# Altium PCB PCB2.PcbDoc (part 3 of 3)
Units mm, origin at the board's own origin, x right, y up, seen from the top; angles counter-clockwise.
Board outline 130.78 x 147.07 mm, 2 copper layers (Top Layer, Bottom Layer), stack 1.571 mm thick; 184 components, 114 nets, 619 pads, 1163 vias.
Unrouted connection lines stored in the file: 1.
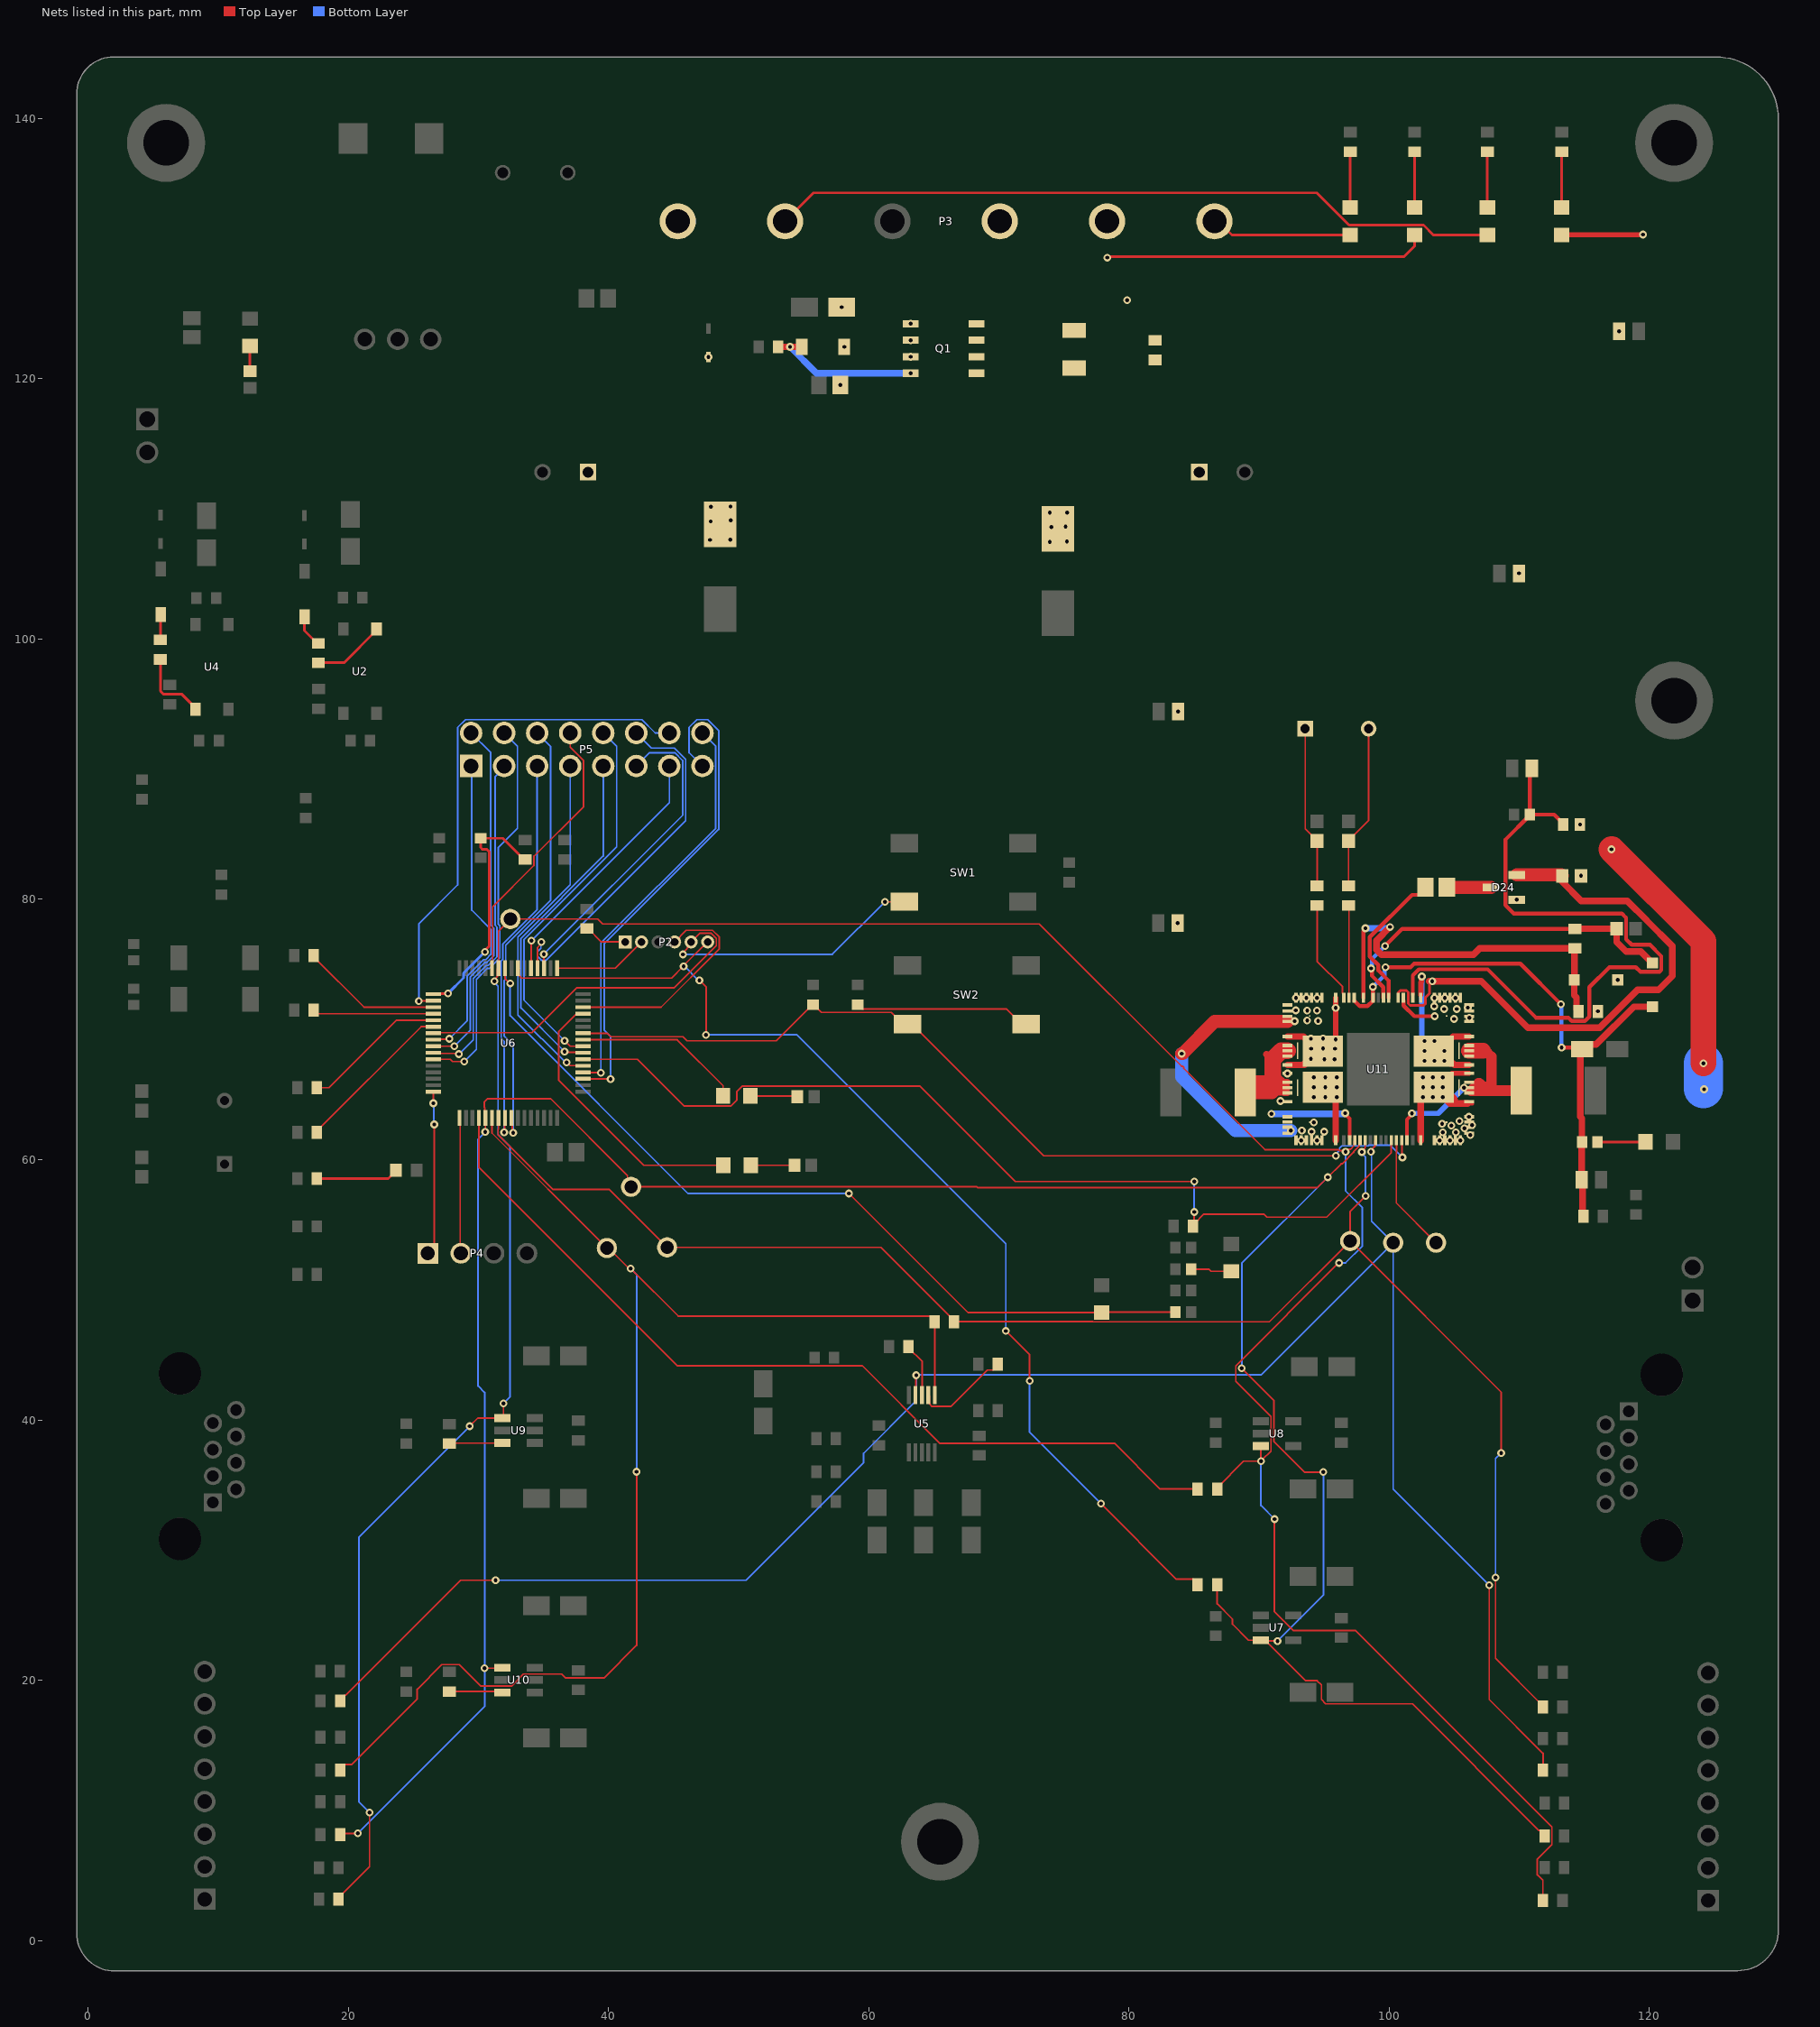
[diagram p3: the nets of this part, all layers, seen from the top]

## Via types
v1: diameter 0.6, hole 0.3, Top Layer to Bottom Layer, tented both sides, 1131 vias
v2: diameter 0.5, hole 0.25, Top Layer to Bottom Layer, tented both sides, 24 vias
v3: diameter 0.4, hole 0.2, Top Layer to Bottom Layer, tented both sides, 5 vias
v4: diameter 0.2, hole 0.1, Top Layer to Bottom Layer, tented both sides, 2 vias
v5: diameter 0.3, hole 0.125, Top Layer to Bottom Layer, tented both sides, 1 vias

## Nets (pads, with @x,y where several pads share a name; then routed paths per layer and width w, separated by ;. In a path a pad name is that pad's centre, name@x,y a point inside that pad or via, vN(x,y) a via of type N, cw(c..) or ccw(c..) an arc to the next point about the centre after c; other vN are vias at no path point) (continued)
NetC33_2: C33.2 R33.1 R34.2 U11.54 | length 55.6
  Top Layer w0.3: U11.54@101.812,72.66 101.812,74.156 102.283,74.627 107.565,74.627 111.28,70.913 113.774,70.913 114.037,70.649 115.044,70.649 115.391,70.996 115.391,73.258 116.923,74.79 118.959,74.79 119.318,74.431 120.772,74.431 120.919,74.578 120.919,75.635 120.044,76.509 118.639,76.509 118.212,76.937 118.212,78.588 117.888,78.911 109.584,78.911 108.929,79.566 108.929,84.58 110.811,86.462 R34.2@110.811,86.512 ; C33.2@110.961,90.068 110.811,89.918 R34.2@110.811,86.512 ; R33.1@113.371,85.75 113.371,85.825 112.684,86.512 R34.2@110.811,86.512
NetC34_1: C34.1 U11.57 | length 11.2
  Top Layer w0.3: U11.57@99.962,72.429 99.962,72.652 99.954,72.66 99.954,73.759 99.163,74.55 99.163,74.954 98.513,75.604 98.513,77.1 101.759,80.346 102.303,80.346 102.781,80.824 C34.1@102.781,80.924
NetC34_2: C34.2 D24.3 | length 3.4
  Top Layer w1: C34.2@104.432,80.924 D24.3@107.819,80.924
NetC35_2: C35.2 D24.2 U11.56 | length 43.6
  Top Layer w0.203: U11.56@100.692,72.429 100.717,72.455 100.717,72.848 100.881,73.012 101.302,73.012 101.46,72.854 101.46,71.988 101.601,71.847 102.642,71.847 102.772,71.977 102.772,72.444 103.086,72.757 v1@103.086,73.711
  Top Layer w0.508: v1@103.086,73.711 v1(103.312,73.711) 107.086,73.711 110.652,70.145 116.187,70.145 119.092,73.05 120.701,73.05 121.756,74.106 121.756,76.42 119.803,78.373 119.803,78.384 118.301,79.886 114.768,79.886 C35.2@113.271,81.384
  Top Layer w1: D24.2@109.809,81.874 113.235,81.874 C35.2@113.296,81.813
NetC36_2: C36.2 SW2.4 | length 13.6
  Top Layer w0.127: C36.2@59.157,71.919 59.493,71.583 70.575,71.583 71.739,70.419 SW2.4@72.089,70.419
NetC37_2: C37.2 SW2.3 U6.42 U11.19 | length 71.5
  Top Layer w0.127: U6.42@38.045,69.716 39.915,69.716 40.188,69.443 45.717,69.443 46.028,69.133 52.891,69.133 55.678,71.919 55.778,71.919 56.378,71.319 61.739,71.319 62.639,70.419 63.339,70.419 73.458,60.3 v1(95.91,60.3) ; U11.19@100.962,61.479 100.989,61.452 100.989,60.2 v1(101.016,60.173)
  Bottom Layer w0.127: v1(95.91,60.3) 95.91,60.428 96.184,60.701 96.184,60.89 96.356,61.062 98.389,61.062 98.443,61.116 98.712,61.116 98.715,61.119 100.07,61.119 v1@101.041,60.147
NetC42_2: C42.2 R43.1 X3.2 | length 12.7
  Top Layer w0.127: R43.1@96.876,81.039 C42.2@96.876,84.492 96.876,84.517 98.427,86.068 X3.2@98.427,93.116
NetC43_2: C43.2 R44.1 X3.1 | length 12.5
  Top Layer w0.127: X3.1@93.547,93.116 93.547,85.433 94.463,84.517 C43.2@94.463,84.492 R44.1@94.463,81.039
NetD7_1: D7.1 R5.2 | length 1.9
  Top Layer w0.203: R5.2@12.446,120.589 D7.1@12.446,122.521
NetD12_1: D12.1 R20.1 | length 3.6
  Top Layer w0.127: D12.1@50.91,64.897 54.458,64.897 R20.1@54.508,64.846
NetD12_2: D12.2 U6.41 | length 13
  Top Layer w0.127: U6.41@38.045,69.216 45.282,69.216 48.81,65.688 D12.2@48.81,64.897
NetD13_1: D13.1 R22.1 | length 3.4
  Top Layer w0.127: D13.1@50.936,59.563 R22.1@54.29,59.563
NetD13_2: D13.2 U6.45 | length 21.5
  Top Layer w0.127: U6.45@38.045,71.216 37.959,71.13 37.477,71.13 36.163,69.815 36.163,66.117 42.717,59.563 D13.2@48.836,59.563
NetD20_1: D20.1 R29.1 | length 4.3
  Top Layer w0.203: D20.1@101.956,133.155 R29.1@101.956,137.451
NetD20_2: D20.2 P3.2 U11.7 U11.81 U11.85 U11.EPAD8 | length 28
  Top Layer w0.203: v1(78.334,129.311) 78.41,129.387 101.143,129.387 101.956,130.2 D20.2@101.956,131.055
  Top Layer w0.5: U11.7@95.892,61.479 U11.EPAD8@95.892,64.631
  other v1: 91.634,64.51 94.209,64.795 95.098,64.795 95.987,64.795 94.209,65.557 95.098,65.557 95.987,65.557 94.209,66.319 95.098,66.319 95.987,66.319 92.187,66.624
NetD21_1: D21.1 R30.1 | length 4.3
  Top Layer w0.203: D21.1@107.544,133.155 R30.1@107.544,137.451
NetD21_2: D21.2 P3.5 U11.65 U11.76 U11.80 U11.EPAD7 | length 65.5
  Top Layer w0.203: P3.5@53.574,132.105 55.758,134.29 94.433,134.29 96.916,131.807 102.639,131.807 103.391,131.055 D21.2@107.544,131.055
  Top Layer w0.4: v1(95.885,69.24) v1(95.885,71.653) 95.888,71.657 95.888,72.426 U11.65@95.892,72.429
  Top Layer w0.5: U11.80@92.187,67.274 93.37,67.274 U11.EPAD7@93.486,67.391 ; U11.EPAD7@94.487,67.92 U11.EPAD7@94.724,68.157
  Top Layer w0.508: U11.76@92.187,69.464 93.416,69.464 94.362,68.518 94.718,68.518 U11.EPAD7@94.902,68.334 ; U11.EPAD7@93.486,67.274 U11.EPAD7@94.309,68.097
  Bottom Layer w0.4: v1@95.86,71.628 v1(95.885,71.653)
  other v1: 95.021,67.716 95.809,67.716 93.98,67.742 94.005,68.529 95.834,68.529 94.92,68.555 93.98,69.291 94.92,69.317
NetD22_1: D22.1 R31.1 | length 4.3
  Top Layer w0.203: D22.1@97.003,133.155 R31.1@97.003,137.451
NetD22_2: D22.2 P3.1 U11.22 U11.33 U11.37 U11.EPAD3 | length 22.3
  Top Layer w0.127: U11.EPAD3@103.37,65.574 104.43,66.634 U11.EPAD3@104.837,66.634
  Top Layer w0.203: P3.1@86.574,132.105 86.866,132.105 87.916,131.055 D22.2@97.003,131.055
  Top Layer w0.25: 106.016,64.316 106.044,64.287 106.401,64.287
  Top Layer w0.4: U11.EPAD3@104.837,66.634 U11.37@106.137,66.634
  Top Layer w0.508: U11.22@102.432,61.479 102.432,64.635 103.371,65.574 U11.EPAD3@103.422,65.574 ; 104.68,64.316 106.016,64.316
  Top Layer w1: U11.EPAD3@103.422,65.574 103.37,65.574 v1(103.353,65.557) 103.794,65.557 U11.EPAD3@104.79,64.562
  other v1: 102.591,64.795 103.353,64.795 104.115,64.795 102.612,65.557 104.115,65.557 102.591,66.319 103.353,66.319 104.115,66.319
NetD23_1: D23.1 R32.1 | length 4.3
  Top Layer w0.203: D23.1@113.259,133.155 R32.1@113.259,137.451
NetD23_2: D23.2 P3.6 U11.38 U11.42 U11.53 U11.EPAD4 | length 20.7
  Top Layer w0.3: 102.421,72.858 102.432,72.869
  Top Layer w0.4: U11.53@102.421,72.66 102.421,72.858 ; 102.432,72.869 102.432,73.625 102.473,73.666 102.473,74.039 v1(102.511,74.077) ; D23.2@113.259,131.055 113.276,131.072 119.49,131.072 v1(119.507,131.089)
  Top Layer w0.508: U11.EPAD4@103.777,68.334 104.907,69.464 U11.42@106.137,69.464 ; U11.EPAD4@104.001,68.111 104.717,67.395 104.894,67.395 105.015,67.274 U11.38@106.137,67.274
  Bottom Layer w0.4: v1(102.511,74.077) 102.511,69.374 102.718,69.168 v1(102.718,69.113)
  Bottom Layer w0.508: v1(102.718,67.589) v1(103.48,67.589) v1(104.242,67.589) ; v1(102.718,69.113) v1(103.48,69.113)
  Bottom Layer w2: P3.6@45.324,132.105 P3.6@45.695,132.105
  other v1: 102.718,68.351 104.242,68.351
NetD27_2: D27.2 R42.1 | length 3.7
  Top Layer w0.203: R42.1@116.018,61.366 D27.2@119.702,61.366
NetD28_2: D28.2 R46.2 | length 3.1
  Top Layer w0.127: R46.2@84.776,51.587 86.137,51.587 86.298,51.426 D28.2@87.859,51.426
NetD29_1: D29.1 R48.1 U6.57 | length 64.4
  Top Layer w0.127: U6.57@32.045,74.716 32.045,73.925 32.423,73.548 v1(32.442,73.548) ; v1(58.471,57.404) 67.623,48.251 D29.1@77.902,48.251 77.936,48.285 R48.1@83.576,48.285
  Bottom Layer w0.127: v1(32.442,73.548) 32.442,71.068 46.106,57.404 v1(58.471,57.404)
NetD32_2: D32.2 Q1.4 R64.2 | length 11.9
  Top Layer w0.508: R64.2@53.049,122.453 v1(53.95,122.453) D32.2@54.855,122.453
  Bottom Layer w0.508: v1(53.95,122.453) 55.977,120.426 v1(63.223,120.426)
NetF1_2: F1.2 Q1.5 Q1.6 Q1.7 Q1.8 R63.2
NetFB1_2: FB1.2 R21.1 | length 6.4
  Top Layer w0.203: R21.1@17.59,58.547 23.075,58.547 23.66,59.132 FB1.2@23.66,59.182
NetP2_1: P2.1 R23.2 | length 3.4
  Top Layer w0.127: R23.2@38.329,77.761 38.429,77.761 39.457,76.733 P2.1@41.275,76.733
NetP2_2: P2.2 U6.49 | length 7.3
  Top Layer w0.127: U6.49@36.045,74.716 40.528,74.716 P2.2@42.545,76.733
NetP2_4: P2.4 U6.46 | length 17.3
  Top Layer w0.127: U6.46@38.045,71.716 44.041,71.716 48.516,76.19 48.516,77.102 47.994,77.624 45.976,77.624 P2.4@45.085,76.733
NetP2_5: P2.5 SW1.3 U6.7 | length 47.4
  Top Layer w0.127: U6.7@26.545,69.716 26.584,69.755 34.103,69.755 37.551,73.203 45.033,73.203 48.289,76.459 48.289,77.008 47.9,77.397 47.019,77.397 P2.5@46.355,76.733 46.355,76.538 45.72,75.903 v1(45.72,75.775) ; v1(61.239,79.807) 62.724,79.807 SW1.3@62.735,79.817
  Bottom Layer w0.127: v1(45.72,75.775) 57.207,75.775 v1(61.239,79.807)
NetP2_6: P2.6 R51.2 U6.55 | length 85.2
  Top Layer w0.127: U6.55@33.045,74.716 33.132,74.629 33.132,74.148 33.328,73.952 44.844,73.952 45.739,74.848 v1(45.771,74.848) 45.771,74.905 47.6,76.733 P2.6@47.625,76.733 ; v1(46.99,73.787) 47.498,73.279 v1(47.498,69.596) ; v1(70.536,46.838) 72.365,45.009 v1(72.365,43.002) ; v1(77.851,33.568) 83.652,27.767 84.943,27.767 85.28,27.43 R51.2@85.28,27.33
  Bottom Layer w0.127: v1(45.771,74.848) 45.85,74.848 46.911,73.787 v1(46.99,73.787) ; v1(47.498,69.596) 54.483,69.596 70.536,53.543 v1(70.536,46.838) ; v1(72.365,43.002) 72.365,39.054 v1(77.851,33.568)
NetR1_1: R1.1 U1.1 | length 2.5
  Top Layer w0.203: U1.1@16.637,101.704 16.637,100.65 17.604,99.683 R1.1@17.704,99.683
NetR1_2: R1.2 U2.1 | length 5.6
  Top Layer w0.203: R1.2@17.704,98.183 19.671,98.183 22.174,100.686 U2.1@22.174,100.786
NetR3_1: R3.1 U3.1 | length 2
  Top Layer w0.203: R3.1@5.563,99.937 5.563,101.857 U3.1@5.588,101.882
NetR3_2: R3.2 U4.1 | length 5.8
  Top Layer w0.203: R3.2@5.563,98.437 5.563,96.063 5.572,96.053 5.572,95.999 5.788,95.783 7.188,95.783 8.255,94.716 U4.1@8.255,94.616
NetR6_1: R6.1 U5.2 | length 7.5
  Top Layer w0.127: U5.2@64.584,41.9 64.671,41.814 64.671,41.232 64.866,41.037 66.31,41.037 69.109,43.836 69.578,43.836 69.799,44.057 69.799,44.298 69.825,44.272 R6.1@69.914,44.272
NetR7_2: R7.2 U5.3 | length 4.2
  Top Layer w0.127: R7.2@63.056,45.644 63.056,45.544 64.116,44.484 64.116,41.932 U5.3@64.084,41.9
NetR14_1: R14.1 U6.3 | length 10.9
  Top Layer w0.127: R14.1@17.336,75.692 17.336,75.592 21.212,71.716 U6.3@26.545,71.716
NetR15_1: R15.1 U6.4 | length 9.3
  Top Layer w0.127: R15.1@17.348,71.501 17.633,71.216 U6.4@26.545,71.216
NetR16_2: R16.2 U6.5 | length 11.1
  Top Layer w0.127: R16.2@17.59,65.532 18.517,65.532 23.701,70.716 U6.5@26.545,70.716
NetR17_2: R17.2 U6.6 | length 12.4
  Top Layer w0.127: R17.2@17.59,62.103 17.59,62.203 25.603,70.216 U6.6@26.545,70.216
NetR24_1: R24.1 R52.1 R56.1 TP5.1 U6.58 U8.3 U9.1 U11.10 | length 238.5
  Top Layer w0.127: R52.1@19.241,3.175 19.241,3.275 21.641,5.675 v1(21.641,9.83) ; v1(29.337,39.522) 29.957,40.142 U9.1@31.846,40.142 31.928,40.224 v1(31.928,41.275) ; v1(31.244,73.719) 31.244,73.847 31.459,74.062 31.459,74.629 U6.58@31.545,74.716 31.545,77.57 TP5.1@32.461,78.486 39.172,78.486 39.546,78.112 73.104,78.112 84.036,67.18 84.118,67.18 84.214,67.084 84.214,67.002 90.453,60.763 96.094,60.763 96.168,60.689 96.626,60.689 96.648,60.71 v1(96.648,60.598) ; R56.1@86.78,34.696 86.78,34.796 88.813,36.83 v1(90.145,36.83) v1@90.145,36.958 ; U8.3@90.134,37.998 90.145,37.988 v1@90.145,36.958 ; v1(91.186,32.381) 91.186,25.27 92.626,23.83 97.404,23.83 112.513,8.721 112.513,7.383 111.386,6.256 111.386,5.046 111.811,4.621 111.811,3.085 R24.1@111.823,3.073 ; v1(96.139,52.07) 96.119,52.07 88.208,44.159 88.208,42.981 90.922,40.266 90.922,37.608 90.273,36.958 v1@90.145,36.958 ; v1@96.648,60.698 96.738,60.789 97.01,60.789 97.298,61.077 97.298,61.416 U11.10@97.362,61.479
  Bottom Layer w0.127: v1(21.641,9.83) 20.817,10.654 20.817,30.982 29.337,39.502 v1(29.337,39.522) ; v1(31.244,73.719) 31.244,73.591 31.515,73.32 31.515,61.911 32.436,60.99 32.436,41.783 v1(31.928,41.275) ; v1(90.145,36.83) 90.145,33.422 v1(91.186,32.381) ; v1(96.139,52.07) 96.653,52.07 97.941,53.358 97.941,56.317 96.648,57.611 v1(96.648,60.598)
NetR26_2: R26.2 U9.3 | length 4.1
  Top Layer w0.127: R26.2@27.789,38.215 U9.3@31.819,38.215
  Top Layer w0.3: R26.2@27.762,38.188 R26.2@27.789,38.215 ; U9.3@31.819,38.215 U9.3@31.846,38.242
NetR36_1: R36.1 R51.1 R54.1 TP4.1 U6.21 U7.3 U10.1 U11.11 | length 215
  Top Layer w0.127: R54.1@19.368,8.128 19.47,8.23 v1(20.726,8.23) ; v1(30.48,20.93) 31.811,20.93 U10.1@31.846,20.965 ; v1(30.531,62.128) 30.538,62.136 30.538,63.209 U6.21@30.545,63.216 30.484,63.277 30.484,64.006 30.454,64.037 30.454,64.421 30.725,64.692 35.55,64.692 41.46,58.782 41.46,58.184 TP4.1@41.732,57.912 68.325,57.912 68.378,57.859 94.486,57.859 v1(95.275,58.649) 95.284,58.649 96.317,59.682 96.386,59.682 97.269,60.564 97.269,60.621 97.698,61.05 97.698,61.416 U11.11@97.762,61.479 ; R51.1@86.78,27.33 86.78,25.872 87.954,24.697 87.954,24.314 89.129,23.139 89.19,23.078 U7.3@90.134,23.078 90.2,23.012 U7.3@90.525,23.012 ; v1(88.671,43.967) 91.149,41.49 91.149,38.327 93.484,35.992 v1(94.945,35.992) ; v1(91.415,23.012) U7.3@90.525,23.012 ; R36.1@111.95,8.026 111.95,8.126 111.613,8.463 111.513,8.463 101.789,18.187 95.125,18.187 94.793,18.519 94.793,19.632 94.461,19.964 93.573,19.964 U7.3@90.525,23.012
  Bottom Layer w0.127: v1(20.726,8.23) 30.48,17.983 v1(30.48,20.93) 30.48,42.108 29.974,42.615 29.974,61.571 v1(30.531,62.128) ; v1(88.671,43.967) 88.671,52.045 v1(95.275,58.649) ; v1(91.415,23.012) 94.945,26.543 v1(94.945,35.992)
NetR37_2: R37.2 U10.3 | length 4.1
  Top Layer w0.127: R37.2@27.762,19.138 31.509,19.138 31.582,19.065 U10.3@31.846,19.065
NetR39_1: R39.1 R59.1 TP7.1 U5.4 U11.14 | length 153
  Top Layer w0.127: R59.1@19.368,18.415 19.368,18.515 19.705,18.852 19.805,18.852 28.639,27.686 v1(31.318,27.686) ; U5.4@63.584,41.9 63.618,41.934 63.618,43.4 v1(63.652,43.434) ; v1(98.599,60.617) 98.599,60.712 98.898,61.011 98.898,61.416 U11.14@98.962,61.479 ; TP7.1@100.254,53.899 100.305,53.848 TP7.1@100.305,53.619 ; v1(107.696,27.305) 107.696,18.515 111.823,14.388 R39.1@111.823,13.106
  Bottom Layer w0.127: v1(31.318,27.686) 50.578,27.686 59.608,36.715 59.608,37.438 63.652,41.483 v1(63.652,43.434) 63.684,43.466 90.151,43.466 TP7.1@100.305,53.619 ; v1(98.599,60.617) 98.648,60.567 98.648,55.276 TP7.1@100.305,53.619 ; v1(107.696,27.305) 100.305,34.696 TP7.1@100.305,53.619
NetR43_2: R43.2 U11.63 | length 7.1
  Top Layer w0.127: R43.2@96.876,79.539 96.912,79.503 U11.63@96.912,72.429
NetR44_2: R44.2 U11.64 | length 8
  Top Layer w0.127: R44.2@94.463,79.539 94.463,75.231 96.412,73.281 96.412,72.783 96.512,72.683 U11.64@96.512,72.429
NetR49_1: R49.1 R60.1 TP2.1 TP6.1 U6.23 U11.12 | length 126.1
  Top Layer w0.127: U6.23@31.545,63.216 31.545,62.325 31.515,62.295 31.515,61.911 35.703,57.724 40.041,57.724 TP2.1@44.501,53.264 60.946,53.264 66.561,47.649 R60.1@66.561,47.549 77.223,47.549 77.234,47.538 90.794,47.538 TP6.1@97.003,53.746 ; v1(97.899,60.596) 97.899,60.648 98.159,60.908 98.159,61.477 U11.12@98.162,61.479 ; v1(98.185,57.212) 97.003,56.03 TP6.1@97.003,53.746 ; v1(108.179,27.889) 108.179,21.677 111.823,18.032 R49.1@111.823,17.932 ; v1(108.61,37.465) 108.61,42.139 TP6.1@97.003,53.746
  Bottom Layer w0.127: v1(97.899,60.596) 97.899,60.473 98.185,60.187 v1(98.185,57.212) ; v1(108.179,27.889) 108.179,37.033 v1(108.61,37.465)
NetR55_1: R55.1 R60.2 TP3.1 U5.1 U6.22 | length 105
  Top Layer w0.127: R55.1@19.368,13.081 19.368,13.181 19.705,13.518 20.242,13.518 25.301,18.576 25.301,19.308 27.194,21.202 28.545,21.202 30.195,19.552 32.539,19.552 33.466,20.479 36.41,20.479 36.713,20.176 39.656,20.176 42.164,22.683 v1(42.164,36.017) ; U6.22@31.045,63.216 31.045,62.046 39.589,53.502 39.885,53.502 39.885,53.333 41.58,51.638 v1(41.707,51.638) 45.36,47.985 64.725,47.985 65.061,47.649 R60.2@65.061,47.549 ; U5.1@65.084,41.9 R60.2@65.084,47.526
  Bottom Layer w0.127: v1(41.707,51.638) 42.164,51.181 v1(42.164,36.017)
NetR56_2: R56.2 U6.20 | length 69.3
  Top Layer w0.127: U6.20@30.045,63.216 30.045,59.388 45.267,44.167 59.499,44.167 65.455,38.21 78.881,38.21 82.395,34.696 R56.2@85.28,34.696
NetR57_1: R57.1 U11.9 U11.77 U11.78 U11.79 U11.82 U11.83 U11.84 U11.EPAD12 U11.EPAD13 | length 23.5
  Top Layer w0.3: v1(96.622,63.576) 96.622,63.495 96.964,63.153 U11.9@96.964,61.71
  Top Layer w0.4: 91.661,66.157 91.744,66.157 U11.82@91.957,65.944
  Top Layer w0.5: R57.1@88.936,65.176 R57.1@88.978,65.134 ; R57.1@89.294,65.534 91.186,65.534 U11.83@92.187,65.534 ; 90.576,68.097 90.709,67.964 ; 91.086,65.234 91.161,65.16 91.903,65.16 91.929,65.134 U11.84@92.187,65.134 ; 91.661,66.157 91.456,66.362 91.456,67.546 91.874,67.964 U11.79@92.187,67.964 ; U11.82@91.957,65.944 U11.82@92.187,65.944 ; U11.78@92.187,68.374 U11.77@92.187,68.774
  Top Layer w1: R57.1@88.978,65.134 90.986,65.134 91.086,65.234
  Top Layer w1.3: R57.1@88.936,65.176 88.936,65.654 89.111,65.829 90.949,65.829 91.186,66.066 91.056,66.197 91.056,67.072 91.056,67.712 91.186,67.842 91.718,68.374 U11.78@92.187,68.374
  Bottom Layer w0.508: v1(90.958,63.525) 96.546,63.525 96.597,63.576 v1(96.622,63.576)
NetR62_1: R62.1 U11.20 U11.34 U11.35 U11.36 U11.39 U11.40 U11.41 U11.EPAD10 U11.EPAD11 | length 16.9
  Top Layer w0.3: U11.20@101.362,61.479 101.362,63.079 101.752,63.47 v1(101.752,63.551)
  Top Layer w0.8: 107.227,68.374 107.38,68.374 107.848,67.906 107.848,65.817 107.614,65.583 107.214,65.583 106.925,65.871 106.874,65.871 106.306,65.303 107.214,65.303 107.614,65.303 R62.1@110.15,65.303
  Top Layer w1.2: U11.40@106.137,68.374 107.227,68.374
  Bottom Layer w0.4: v1(101.752,63.551) 103.768,63.551 v1(105.752,65.534)
NetTP1_1: TP1.1 U11.18 | length 9.1
  Top Layer w0.127: U11.18@100.562,61.479 100.562,60.576 100.552,60.567 100.552,56.674 TP1.1@103.607,53.619
PB7: P5.8 U6.59 | length 21.4
  Top Layer w0.127: U6.59@31.045,74.716 31.092,74.762 31.092,79.426 34.268,82.602 34.268,83.317 38.085,87.134 38.085,90.671 37.059,91.697 P5.8@37.059,92.786
PB14: P5.15 U6.35 | length 39
  Top Layer w0.127: U6.35@38.045,66.216 38.05,66.212 40.138,66.212 v1(40.157,66.192)
  Bottom Layer w0.127: v1(40.157,66.192) 40.157,69.474 39.669,69.963 39.669,76.575 48.472,85.378 48.472,92.984 47.644,93.812 46.794,93.812 46.193,93.211 46.193,91.272 P5.15@47.219,90.246
PB15: P5.16 U6.36 | length 31.6
  Top Layer w0.127: U6.36@38.045,66.716 38.066,66.695 39.4,66.695 v1(39.421,66.675)
  Bottom Layer w0.127: v1(39.421,66.675) 39.421,76.648 48.245,85.472 48.245,91.76 P5.16@47.219,92.786
PC0: P5.1 U6.8 | length 24.3
  Top Layer w0.127: U6.8@26.545,69.216 26.583,69.254 27.725,69.254 v1(27.762,69.291)
  Bottom Layer w0.127: v1(27.762,69.291) 29.133,70.662 29.133,74.097 30.412,75.376 30.569,75.376 30.972,75.779 30.972,77.685 29.489,79.167 29.489,90.195 P5.1@29.439,90.246
PC1: P5.2 U6.9 | length 27.8
  Top Layer w0.127: U6.9@26.545,68.716 26.547,68.714 28.155,68.714 v1(28.157,68.713)
  Bottom Layer w0.127: v1(28.157,68.713) 29.377,69.933 29.377,74.02 30.506,75.149 30.663,75.149 31.199,75.685 31.199,77.779 30.953,78.025 30.953,91.272 P5.2@29.439,92.786
PC2: P5.3 U6.10 | length 25.8
  Top Layer w0.127: U6.10@26.545,68.216 26.6,68.162 28.453,68.162 v1(28.508,68.107)
  Bottom Layer w0.127: v1(28.508,68.107) 29.604,69.203 29.604,73.926 30.6,74.922 30.757,74.922 31.426,75.591 31.426,77.873 31.296,78.003 31.296,89.44 31.979,90.123 P5.3@31.979,90.246
PC3: P5.4 U6.11 | length 30
  Top Layer w0.127: U6.11@26.545,67.716 26.551,67.71 27.853,67.71 28.021,67.542 v1(28.921,67.542)
  Bottom Layer w0.127: v1(28.921,67.542) 29.853,68.474 29.853,73.854 30.694,74.695 30.851,74.695 31.653,75.497 31.653,77.967 31.523,78.097 31.523,83.972 33.005,85.453 33.005,91.76 P5.4@31.979,92.786
PC4: P5.5 U6.24 | length 30.5
  Top Layer w0.127: v1(31.979,62.103) 32.012,62.136 32.012,63.183 U6.24@32.045,63.216
  Bottom Layer w0.127: v1(31.979,62.103) 31.979,69.104 31.752,69.331 31.752,75.275 31.88,75.403 31.88,76.578 34.519,79.216 P5.5@34.519,90.246
PC5: P5.6 U6.25 | length 34.1
  Top Layer w0.127: U6.25@32.545,63.216 32.612,63.15 32.612,62.14 v1(32.678,62.074)
  Bottom Layer w0.127: v1(32.678,62.074) 32.678,68.806 31.979,69.505 31.979,73.74 32.107,73.868 32.107,76.484 35.545,79.921 35.545,91.76 P5.6@34.519,92.786
PC6: P5.7 U6.37 | length 27.4
  Top Layer w0.127: v1(36.785,67.462) 36.831,67.462 37.068,67.225 38.036,67.225 U6.37@38.045,67.216
  Bottom Layer w0.127: v1(36.785,67.462) 36.703,67.462 33.042,71.123 33.042,77.098 37.059,81.114 P5.7@37.059,90.246
PC8: P5.9 U6.39 | length 27.4
  Top Layer w0.127: v1(36.627,68.301) 36.669,68.258 38.003,68.258 U6.39@38.045,68.216
  Bottom Layer w0.127: v1(36.627,68.301) 33.269,71.658 33.269,77.004 39.599,83.333 P5.9@39.599,90.246
PC9: P5.10 U6.40 | length 29.9
  Top Layer w0.127: v1(36.627,69.139) 37.05,68.716 U6.40@38.045,68.716
  Bottom Layer w0.127: v1(36.627,69.139) 33.496,72.269 33.496,76.91 40.625,84.038 40.625,91.76 P5.10@39.599,92.786
PC10: P5.11 U6.51 | length 24.6
  Top Layer w0.127: v1(35.027,75.794) 35.036,75.784 35.036,74.725 U6.51@35.045,74.716
  Bottom Layer w0.127: v1(35.027,75.794) 45.705,86.472 45.705,90.671 45.104,91.272 43.165,91.272 P5.11@42.139,90.246
PC11: P5.12 U6.52 | length 28.6
  Top Layer w0.127: U6.52@34.545,74.716 34.545,76.312 34.83,76.598 v1(34.83,76.721)
  Bottom Layer w0.127: v1(34.83,76.721) 34.808,76.698 34.808,76.23 34.563,75.986 34.563,75.602 34.835,75.33 35.219,75.33 45.932,86.043 45.932,90.765 45.074,91.623 43.302,91.623 P5.12@42.139,92.786
PC12: P5.13 U6.53 | length 19.9
  Top Layer w0.127: U6.53@34.045,74.716 34.057,74.728 34.057,76.815 v1(34.069,76.827)
  Bottom Layer w0.127: v1(34.069,76.827) 44.679,87.437 P5.13@44.679,90.246
PC13: P5.14 U6.2 | length 40.9
  Top Layer w0.127: v1(25.425,72.187) 25.44,72.201 26.531,72.201 U6.2@26.545,72.216
  Bottom Layer w0.127: v1(25.425,72.187) 25.425,78.125 28.413,81.112 28.413,93.211 29.014,93.812 42.564,93.812 43.59,92.786 44.272,92.786 44.425,92.939 44.577,92.786 P5.14@44.679,92.786 45.009,92.786 P5.14@45.06,92.735
STCK: R28.1 U6.38 U11.17 | length 74.5
  Top Layer w0.127: U6.38@38.045,67.716 42.214,67.716 45.796,64.133 49.428,64.133 49.86,64.566 49.86,65.228 50.292,65.661 63.918,65.661 71.26,58.318 85.009,58.318 v1(85.014,58.323) ; R28.1@84.926,54.889 84.926,54.989 R28.1@85.014,55.078 ; v1(85.014,55.982) R28.1@85.014,55.078 ; U11.17@100.162,61.479 100.162,60.542 95.197,55.578 90.59,55.578 90.356,55.812 85.748,55.812 R28.1@85.014,55.078
  Bottom Layer w0.127: v1(85.014,55.982) v1(85.014,58.323)
USART_RX: P4.2 U6.17 | length 10.3
  Top Layer w0.127: U6.17@28.545,63.216 28.598,63.163 P4.2@28.598,52.946
USART_TX: P4.1 U6.16 | length 12.6
  Top Layer w0.127: P4.1@26.111,52.807 26.605,53.3 v1(26.605,62.701) ; v1(26.544,64.337) 26.544,65.215 U6.16@26.545,65.216
  Bottom Layer w0.127: v1(26.544,64.337) 26.574,64.307 26.574,62.732 v1(26.605,62.701)
VBAT/VLCD: C15.1 R25.2 U6.1 | length 18.9
  Top Layer w0.203: U6.1@26.545,72.716 26.573,72.743 27.633,72.743 v1(27.661,72.771) ; v1(30.509,75.971) 30.509,76.079 30.827,76.397 30.827,83.68 30.671,83.836 30.331,83.836 30.175,83.993 C15.1@30.175,84.697 31.877,84.697 33.504,83.07 R25.2@33.604,83.07
  Bottom Layer w0.203: v1(27.661,72.771) 28.868,73.978 28.868,74.33 v1(30.509,75.971)
VCC: C38.2 D26.1 R35.1 U11.58 | length 27.6
  Top Layer w0.3: v1(98.613,74.701) 98.671,74.644 98.671,74.142 99.552,73.26 99.552,72.439 U11.58@99.562,72.429 ; v1(99.676,76.409) 101.005,77.737 R35.1@114.275,77.737
  Top Layer w0.508: R35.1@114.275,77.737 114.281,77.743 117.481,77.743 C38.2@117.487,77.749 117.487,76.733 118.215,76.005 119.345,76.005 D26.1@120.244,75.106
  Bottom Layer w0.3: v1(98.613,74.701) 98.671,74.759 98.671,75.403 v1(99.676,76.409)
VIN: F1.1 P3.3 R63.1
  other v1: 79.858,126.034
VREG: C40.2 C41.1 D26.2 R41.1 R42.2 U11.60 U11.62 | length 44.6
  Top Layer w0.3: U11.62@97.335,72.198 97.735,71.798 98.339,71.798 U11.60@98.758,72.218 ; v1(98.755,73.279) 98.758,73.276 U11.60@98.758,72.218 ; U11.60@98.762,72.429 98.762,72.221 U11.60@98.758,72.218 ; v1(99.713,74.778) 101.643,74.778 101.923,75.057 110.086,75.057 v1(113.209,71.934) ; v1(113.259,68.605) 114.703,68.605 C41.1@114.83,68.478
  Top Layer w0.508: R41.1@114.922,55.651 114.858,55.715 114.858,58.382 C40.2@114.795,58.445 114.806,58.457 114.806,61.355 R42.2@114.818,61.366 114.818,63.18 114.681,63.317 114.681,68.329 C41.1@114.83,68.478 115.201,68.849 115.916,68.849 118.823,71.756 D26.2@120.244,71.756
  Bottom Layer w0.3: v1(98.755,73.279) 99.656,74.179 99.656,74.72 v1(99.713,74.778) ; v1(113.209,71.934) 113.234,71.909 113.234,68.63 v1(113.259,68.605)
VS: C25.1 C26.1 C27.1 C28.1 C29.1 C30.1 C31.1 C32.1 C35.1 C44.1 D5.1 D6.2 D24.1 D25.1 D32.1 Q1.1 Q1.2 Q1.3 R33.2 R40.2 U11.1 U11.2 U11.3 U11.4 U11.5 U11.6 U11.23 U11.24 U11.25 U11.26 U11.27 U11.28 U11.29 U11.30 U11.31 U11.32 U11.43 U11.44 U11.45 U11.46 U11.47 U11.48 U11.49 U11.50 U11.51 U11.52 U11.55 U11.66 U11.67 U11.68 U11.69 U11.70 U11.71 U11.72 U11.73 U11.74 U11.75 U11.86 U11.87 U11.88 U11.89 U11.EPAD1 U11.EPAD2 U11.EPAD5 U11.EPAD6 | length 45.5
  Top Layer w0.3: U11.55@101.109,72.198 101.109,71.842 101.933,71.018 v1(103.505,71.018)
  Top Layer w1: v1(84.049,68.148) 84.125,68.148 86.591,70.614 U11.75@92.187,70.614
  Top Layer w2: v1(117.094,83.845) 124.155,76.784 v1(124.155,67.412)
  Bottom Layer w0.3: v1@124.155,65.456 v1(124.206,65.405)
  Bottom Layer w1: v1(84.049,68.148) 84.049,66.354 88.173,62.23 v1(92.431,62.23)
  Bottom Layer w3: v1@124.155,65.456 v1(124.155,67.412)
  other v1: 93.242,61.479 94.442,61.479 103.882,61.479 104.682,61.479 105.482,61.479 106.232,61.897 104.115,62.103 105.131,62.103 94.031,62.154 94.996,62.154 93.294,62.23 105.791,62.408 104.775,62.611 106.375,62.662 104.064,62.763 94.209,62.865 105.41,62.967 106.137,63.294 92.735,70.637 94.539,70.663 93.701,70.688 104.978,70.815 106.172,70.891 116.041,71.399 93.701,71.45 94.463,71.45 92.812,71.476 104.216,71.577 105.207,71.577 106.045,71.679 103.454,71.78 92.842,72.429 93.642,72.429 94.442,72.429 103.482,72.429 104.282,72.429 105.082,72.429 117.577,73.812 83.745,78.181 109.809,79.974 114.746,81.813 114.671,85.75 83.783,94.437 109.97,105.054 73.914,107.467 75.235,107.493 47.803,107.62 49.352,107.645 74.041,108.61 75.133,108.636 47.854,109.042 49.403,109.118 73.914,109.728 75.26,109.728 47.879,110.16 49.378,110.185 57.824,119.532 47.676,121.666 63.223,121.696 58.125,122.453 63.223,122.966 117.677,123.647 63.223,124.236 57.915,125.501
VSREG: D25.2 R35.2 R40.1 U11.61 | length 30.1
  Top Layer w0.3: U11.61@98.032,72.429 98.032,77.559 98.177,77.705 v1(98.177,77.786)
  Top Layer w0.508: v1(100.071,77.88) 99.017,76.826 99.017,76.143 99.411,75.749 106.47,75.749 106.958,76.237 R35.2@114.275,76.237 114.251,76.213 114.251,73.836 D25.2@114.227,73.812 114.227,72.625 114.395,72.457 114.395,71.545 R40.1@114.541,71.399
  Bottom Layer w0.508: v1(98.177,77.786) 99.952,77.786 100.046,77.88 v1(100.071,77.88)
pads on no net: 485-2. 485-4. U6.14 U6.15 U6.26 U6.27 U6.29 U6.33 U6.34 U6.44 U6.50 U6.54 U6.56 X1.2 X1.3

## Polygon pours and split planes (outlines as drawn)
VIN on Top Layer "VIN_2" (solid, pour order 2): 63.729,134.087 76.479,134.087 76.479,128.041 84.938,128.041 84.938,122.326 74.143,122.326 74.143,127.406 74.016,127.279 63.729,127.279
GND on Top Layer "GND_L01_P020" (solid, pour order 20): 3.708,143.764 124.282,143.764 cw(c124.143,139.56) 128.346,139.421 128.372,3.078 cw(c125.431,3.093) 125.401,0.152 3.048,0.152 cw(c3.035,3.061) 0.127,3.048 0.127,140.208 cw(c3.696,140.195)
NetR62_1 on Top Layer "NETR62_1_L01_P018" (solid, pour order 18): 105.053,69.19 111.176,69.19 111.176,62.763 106.629,62.763 106.629,64.643 105.456,64.643 105.284,64.919 105.054,65.149 105.054,66.319 106.426,66.319 106.728,66.621 106.728,67.564 106.375,67.564 106.274,67.666 105.08,67.666
NetR57_1 on Top Layer "NETR57_1_L01_P015_" (solid, pour order 15): 88.011,63.4 88.011,69.011 88.166,69.011 93.218,69.011 93.218,67.642 92.05,67.642 91.745,67.484 91.745,66.171 92.994,66.171 92.994,64.901 91.699,64.901 91.516,64.719 91.516,62.664 88.748,62.664
NetR57_1 on Top Layer "NETR57_1_L01_P023" (solid, pour order 23): 90.018,69.012 93.017,69.012 93.019,69.009 93.019,67.739 90.018,67.739
NetF1_2 on Top Layer "VIN_2" (solid, pour order 3): 74.016,127.279 74.143,127.406 74.079,127.343
NetF1_2 on Top Layer "GND_L01_P-001" (solid, pour order 1): 66.142,127.152 66.142,118.516 83.414,118.516 83.414,122.072 74.016,122.072 74.016,127.152
VS on Bottom Layer "VS_1" (solid, pour order 0): 65.989,141.453 56.464,141.453 56.464,122.53 49.251,122.53 45.822,122.53 45.822,105.164 83.007,105.164 83.007,70.02 97.003,70.02 97.003,118.372 95.847,118.372 65.989,118.372
NetD23_2 on Bottom Layer "NETD23_2_L02_P005" (solid, pour order 5): 110.5,143.787 124.176,143.771 cw(c124.171,139.596) 128.346,139.596 128.346,66.774 101.295,66.774 101.295,69.568 118.313,69.568 118.313,141.506 47.981,141.506 47.981,129.69 40.437,129.69 40.437,143.787 46.253,143.787 82.804,143.787
+3.3V on Bottom Layer "+3.3V_L02_P019" (solid, pour order 19): 73.981,56.693 96.139,56.693 96.139,62.103 102.006,62.103 102.006,56.693 128.372,56.693 128.372,3.15 cw(c125.374,3.15) 125.374,0.152 3.023,0.152 cw(c3.023,3.048) 0.127,3.048 0.127,140.208 cw(c3.683,140.208) 3.683,143.764 40.437,143.764 40.437,129.845 30.81,129.845 30.81,93.935
NetD20_2 on Bottom Layer "NETD20_2_L02_P008" (solid, pour order 8): 99.568,77.267 99.568,65.608 99.568,64.033 91.034,64.033 91.034,66.929 97.053,66.929 97.053,118.466 66.116,118.466 66.116,134.112 84.303,134.112 84.303,125.171 99.568,125.171 99.568,91.11
NetD22_2 on Bottom Layer "NETD22_2_L02_P006" (solid, pour order 6): 102.184,81.89 102.184,66.751 107.036,66.751 107.036,64.008 99.644,64.008 99.644,125.171 84.455,125.171 84.455,134.112 91.973,134.112 91.973,128.88 109.068,128.88 109.068,81.89
VS on Bottom Layer "VS_L02_P014" (solid, pour order 14): 61.62,141.757 118.059,141.757 118.059,69.621 102.311,69.621 102.286,81.89 109.068,81.89 109.068,129.007 91.973,129.007 91.973,134.213 61.62,134.112
NetD21_2 on Bottom Layer "NETD21_2_L02_P013" (solid, pour order 13): 67.752,105.08 83.007,105.08 83.007,69.983 97.003,69.983 97.003,66.929 82.101,66.929 41.478,98.912 41.478,125.755 51.613,125.755 51.613,138.024 56.388,138.024 56.388,122.631 45.745,122.631 45.745,105.08
VS on Bottom Layer "VS_L02_P011" (solid, pour order 11): 71.958,138.049 51.613,138.049 51.613,125.488 41.478,125.488 41.478,98.912 82.236,66.96 91.034,66.853 91.034,63.957 107.239,63.957 107.239,66.656 128.372,66.656 128.372,56.693 102.006,56.693 102.006,62.103 96.139,62.103 96.139,56.693 73.968,56.693 27.991,96.426 27.991,129.667 48.108,129.667 48.108,134.595 48.108,141.935 71.958,141.935

## Silkscreen, mask and mechanical layers (free items; w line width, h text height)
Top Overlay:
  drawing of 37 lines, arcs and shapes, not listed
  text "A-" at 96.47,129.896 h0.8 r270
  text "GND" at 24.405,129.772 h1 r90
  text "B+" at 107.008,129.771 h1 r270
  text "B-" at 101.394,129.746 h1 r270
  text "A+" at 112.824,129.746 h1 r270
  text "+Vo" at 26.818,129.645 h1 r90
  text "+Vin" at 21.738,129.391 h1 r90
  text "A+" at 44.829,129.288 h1 r270
  text "B+" at 52.957,129.288 h1 r270
  text "GND" at 61.339,129.288 h1 r270
  text "VIN" at 69.467,129.288 h1 r270
  text "B-" at 77.722,129.161 h1 r270
  text "A-" at 86.231,129.161 h1 r270
  text "POWER" at 12.931,125.855 h1 r90
  text "GND" at 24.405,116.945 h1 r90
  text "+Vo" at 27.199,116.945 h1 r90
  text "IN1" at 8.743,116.314 h1
  text "+Vin" at 21.761,116.287 h1 r90
  text "IN2" at 8.738,113.589 h1
  text "PB15" at 46.813,97.282 h0.8 r270
  text "PC13" at 44.4,97.257 h0.8 r270
  text "PC11" at 41.707,96.952 h0.8 r270
  text "PC3" at 31.573,96.513 h0.8 r270
  text "PC5" at 34.113,96.513 h0.8 r270
  text "PB7" at 36.678,96.513 h0.8 r270
  text "PC9" at 39.167,96.513 h0.8 r270
  text "PC1" at 28.982,96.266 h0.8 r270
  text "PORTC/B" at 49.168,90.85 h2
  text "PC6" at 36.678,88.798 h0.8 r270
  text "PC0" at 28.981,88.773 h0.8 r270
  text "PC2" at 31.572,88.773 h0.8 r270
  text "PC4" at 34.112,88.773 h0.8 r270
  text "PC8" at 39.167,88.773 h0.8 r270
  text "PC10" at 41.707,88.773 h0.8 r270
  text "PC12" at 44.399,88.773 h0.8 r270
  text "PB14" at 46.812,88.773 h0.8 r270
  text "SWD" at 49.143,76.067 h2
  text "VDD" at 40.792,75.26 h0.8 r270
  text "SWCLK" at 42.139,75.26 h0.8 r270
  text "GND" at 43.561,75.26 h0.8 r270
  text "SWDIO" at 44.831,75.26 h0.8 r270
  text "NRST" at 46.076,75.26 h0.8 r270
  text "SWO" at 47.346,75.26 h0.8 r270
  text "DRIVER" at 95.621,74.264 h2
  text "MCU" at 20.575,67.812 h2
  text "M2" at 45.946,64.283 h1
  text "POWER" at 123.238,60.78 h1
  text "M1" at 46.276,59.053 h1
  text "DEBUG" at 28.003,54.833 h2
  text "GND" at 116.282,50.902 h1
  text "TX" at 25.651,50.818 h0.8 r270
  text "RX" at 28.346,50.818 h0.8 r270
  text "BOOT0" at 30.81,50.818 h0.8 r270
  text "BOOT1" at 33.376,50.818 h0.8 r270
  text "3.3V" at 115.519,48.539 h1
  text "FLAG" at 88.369,46.505 h1 r90
  text "BUSY" at 78.336,43.228 h1 r90
  text "SISTEMA DE CONTROLO DO MOVIMENTO DE UMA CLARABOIA" at 44.925,10.19 h3
  text "FEITO POR: ANDRE OLIVEIRA" at 43.095,1.174 h2
  text "REV.1 06/2021" at 73.785,1.175 h2
Mechanical 1:
  the board outline again, w0.127

## Text inside footprints (layer, text, board x,y; h text height)
D2: Mechanical 13 "*" at 17.272,107.493 h1.27 r90
D4: Mechanical 13 "*" at 6.198,107.518 h1.27 r90
D6: Mechanical 13 "*" at 47.041,123.673 h1.27 r270
U11: Top Overlay "*" at 93.193,60.033 h1.27 r90; Mechanical 13 "*" at 93.447,61.811 h1.27 r90